# KiCad board AMC_FMC_Carrier-PcbDoc.kicad_pcb (continued)
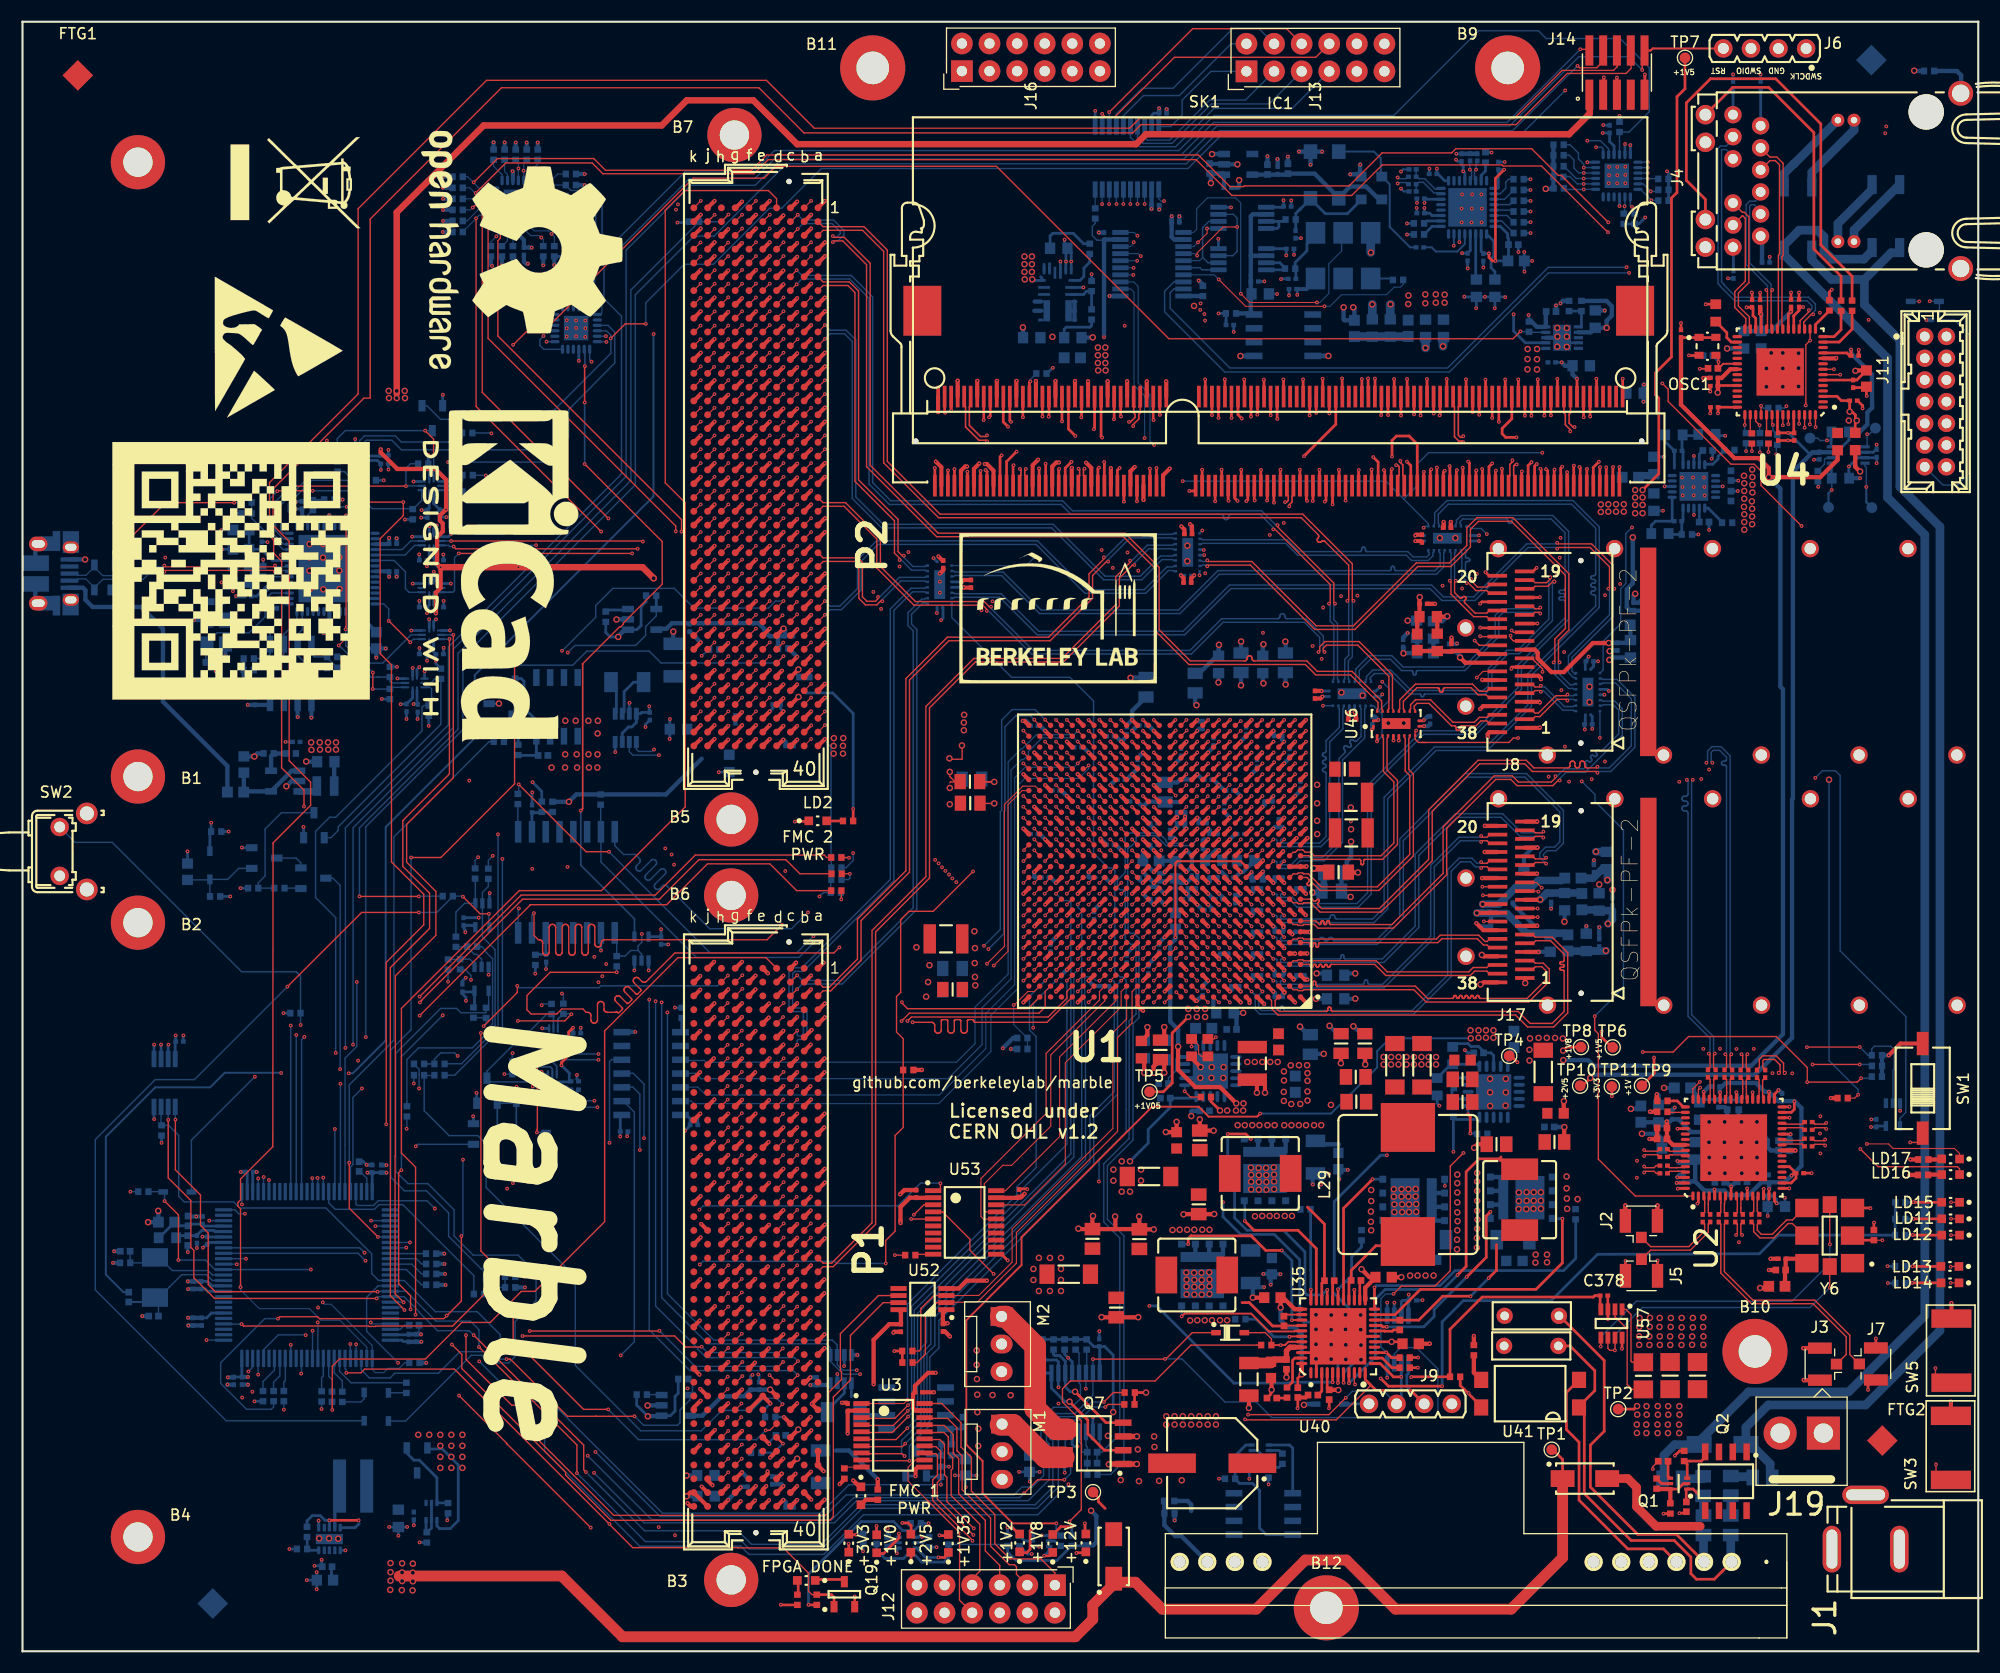
[diagram p0: board, top side]
## Routing (per net, layer and track width the routed paths; a pad name or vN(x,y) marks a point on that pad's centre or on a via; arc(x,y) is an arc through that point) (continued)
/SDRAM/DDR3_DQ2: length 47.7
  Top w0.254: SK1.15 88.17,108.65 v1(88.17,108.65) ; U1.AE17 v1(101.12,84.73)
  In7.Cu w0.135: v1(101.12,84.73) 101.51,85.12 101.51,89.83 101.65,89.97 101.65,96.08 96.15,101.58 96.11,101.63 96.07,101.7 96.06,101.77 96.06,101.84 96.07,101.91 96.11,101.98 96.15,102.03 96.43,102.32 96.48,102.37 96.51,102.44 96.53,102.51 96.53,102.58 96.51,102.65 96.48,102.72 96.43,102.78 96.38,102.82 96.31,102.85 96.24,102.87 96.17,102.87 96.1,102.85 96.03,102.82 95.97,102.78 95.29,102.09 95.24,102.05 95.19,102.03 95.14,102.02 95.08,102.02 95.03,102.03 94.98,102.05 94.93,102.09 94.83,102.19 94.79,102.24 94.77,102.29 94.75,102.34 94.75,102.4 94.77,102.45 94.79,102.5 94.83,102.55 95.51,103.24 95.56,103.29 95.59,103.36 95.61,103.43 95.61,103.5 95.59,103.57 95.56,103.64 95.51,103.7 95.46,103.74 95.39,103.77 95.32,103.79 95.25,103.79 95.18,103.77 95.11,103.74 95.05,103.7 94.37,103.01 94.32,102.97 94.27,102.95 94.22,102.94 94.16,102.94 94.11,102.95 94.06,102.97 94.01,103.01 93.91,103.11 93.87,103.16 93.85,103.21 93.83,103.26 93.83,103.32 93.85,103.37 93.87,103.42 93.91,103.47 94.6,104.16 94.64,104.21 94.67,104.28 94.69,104.35 94.69,104.42 94.67,104.49 94.64,104.56 94.6,104.62 94.54,104.66 94.47,104.69 94.4,104.71 94.33,104.71 94.26,104.69 94.19,104.66 94.14,104.62 93.45,103.93 93.4,103.89 93.35,103.87 93.3,103.86 93.24,103.86 93.19,103.87 93.14,103.89 93.09,103.93 92.99,104.03 92.95,104.08 92.93,104.13 92.92,104.18 92.92,104.24 92.93,104.29 92.95,104.34 92.99,104.39 93.68,105.08 93.72,105.13 93.75,105.2 93.77,105.27 93.77,105.34 93.75,105.41 93.72,105.48 93.68,105.53 93.62,105.58 93.55,105.61 93.48,105.63 93.41,105.63 93.34,105.61 93.27,105.58 93.22,105.53 92.53,104.85 92.48,104.81 92.43,104.79 92.38,104.77 92.32,104.77 92.27,104.79 92.22,104.81 92.17,104.85 92.07,104.95 92.03,105 92.01,105.05 92,105.1 92,105.16 92.01,105.21 92.03,105.26 92.07,105.31 92.76,105.99 92.8,106.05 92.83,106.12 92.85,106.19 92.85,106.26 92.83,106.33 92.8,106.4 92.76,106.45 92.7,106.5 92.63,106.53 92.56,106.55 92.49,106.55 92.42,106.53 92.35,106.5 92.3,106.45 91.61,105.77 91.56,105.73 91.51,105.71 91.46,105.69 91.4,105.69 91.35,105.71 91.3,105.73 91.26,105.77 91.15,105.87 91.11,105.92 91.09,105.97 91.08,106.02 91.08,106.08 91.09,106.13 91.11,106.18 91.15,106.22 91.84,106.91 91.88,106.97 91.91,107.04 91.93,107.11 91.93,107.18 91.91,107.25 91.88,107.32 91.84,107.37 91.78,107.42 91.72,107.45 91.64,107.47 91.57,107.47 91.5,107.45 91.43,107.42 91.38,107.37 90.87,106.86 90.87,106.86 90.67,106.67 90.62,106.63 90.57,106.6 90.51,106.59 90.45,106.59 90.39,106.6 90.33,106.63 90.28,106.67 90.21,106.74 90.17,106.79 90.15,106.84 90.13,106.9 90.13,106.96 90.15,107.02 90.17,107.08 90.25,107.17 90.28,107.23 90.29,107.29 90.29,107.35 90.28,107.41 90.25,107.47 90.21,107.52 89.96,107.76 89.09,107.76 88.35,108.48 v1(88.17,108.65)
/SDRAM/DDR3_DQ3: length 47.8
  Top w0.254: v1(88.64,108.73) 88.77,108.6 SK1.17 ; U1.AE15 v1(103.12,84.73)
  In7.Cu w0.135: v1(88.64,108.73) 88.81,108.56 91.49,108.56 91.65,108.4 91.68,108.36 91.7,108.32 91.71,108.28 91.71,108.24 91.7,108.2 91.68,108.16 91.63,108.09 91.61,108.05 91.6,108.01 91.6,107.97 91.61,107.92 91.63,107.88 91.65,107.85 91.8,107.7 91.84,107.67 91.88,107.65 91.92,107.64 91.96,107.64 92,107.65 92.04,107.67 92.08,107.7 92.21,107.84 92.22,107.83 92.67,108.28 92.72,108.32 92.78,108.35 92.85,108.37 92.91,108.37 92.98,108.35 93.04,108.32 93.09,108.28 93.14,108.23 93.16,108.17 93.18,108.1 93.18,108.04 93.16,107.97 93.14,107.91 93.09,107.86 92.49,107.25 92.46,107.21 92.44,107.17 92.43,107.12 92.43,107.07 92.44,107.03 92.46,106.98 92.49,106.94 92.6,106.83 92.64,106.8 92.69,106.78 92.73,106.77 92.78,106.77 92.83,106.78 92.87,106.8 92.91,106.83 93.52,107.43 93.57,107.48 93.63,107.5 93.7,107.52 93.76,107.52 93.83,107.5 93.89,107.48 93.94,107.43 93.98,107.38 94.01,107.32 94.03,107.26 94.03,107.19 94.01,107.12 93.98,107.06 93.94,107.01 93.32,106.39 93.29,106.34 93.26,106.3 93.25,106.24 93.25,106.19 93.26,106.13 93.29,106.09 93.32,106.04 93.4,105.96 93.44,105.93 93.49,105.91 93.54,105.89 93.6,105.89 93.65,105.91 93.7,105.93 93.74,105.96 94.37,106.59 94.42,106.63 94.48,106.66 94.54,106.67 94.61,106.67 94.68,106.66 94.74,106.63 94.79,106.59 94.83,106.53 94.86,106.47 94.88,106.41 94.88,106.34 94.86,106.27 94.83,106.21 94.79,106.16 94.1,105.47 94.06,105.42 94.03,105.36 94.02,105.29 94.02,105.23 94.03,105.16 94.06,105.1 94.1,105.05 94.15,105.01 94.21,104.98 94.28,104.96 94.35,104.96 94.41,104.98 94.47,105.01 94.53,105.05 95.21,105.74 95.27,105.78 95.33,105.81 95.39,105.82 95.46,105.82 95.53,105.81 95.59,105.78 95.64,105.74 95.68,105.68 95.71,105.62 95.73,105.56 95.73,105.49 95.71,105.43 95.68,105.37 95.64,105.31 95.02,104.69 94.98,104.65 94.96,104.6 94.95,104.54 94.95,104.49 94.96,104.44 94.98,104.39 95.02,104.35 95.1,104.27 95.14,104.23 95.19,104.21 95.24,104.2 95.3,104.2 95.35,104.21 95.4,104.23 95.44,104.27 96.06,104.89 96.12,104.93 96.18,104.96 96.24,104.97 96.31,104.97 96.37,104.96 96.44,104.93 96.49,104.89 96.53,104.84 96.56,104.78 96.57,104.71 96.57,104.64 96.56,104.58 96.53,104.52 96.49,104.46 95.88,103.86 95.85,103.82 95.83,103.78 95.82,103.73 95.82,103.68 95.83,103.63 95.85,103.59 95.88,103.55 96,103.43 96.04,103.4 96.08,103.38 96.13,103.37 96.18,103.37 96.22,103.38 96.27,103.4 96.31,103.43 96.91,104.04 96.96,104.08 97.02,104.11 97.09,104.13 97.16,104.13 97.22,104.11 97.28,104.08 97.34,104.04 97.38,103.99 97.41,103.93 97.42,103.86 97.42,103.79 97.41,103.73 97.38,103.67 97.34,103.62 97.1,103.38 97.06,103.32 97.03,103.26 97.01,103.2 97.01,103.13 97.03,103.07 97.06,103.01 97.1,102.95 98.31,101.74 98.31,100.55 102.61,96.23 102.61,89.94 102.68,89.88 102.68,85.17 v1(103.12,84.73)
/SDRAM/DDR3_DQ4: length 47.7
  Top w0.254: U1.AD16 v1(102.12,83.73) ; v1(84.91,114.01) 84.87,114.05 SK1.4
  In4.Cu w0.135: v1(102.12,83.73) 102.46,84.07 102.46,89.22 102.68,89.43 102.68,89.88 102.46,90.09 102.46,97.23 100.78,98.91 100.78,103.42 99.82,104.38 99.82,105.57 99.82,105.57 99.82,109.25 99.92,109.35 99.92,111.66 97.57,114.01 85.77,114.01 85.6,113.84 85.08,113.84 v1(84.91,114.01)
/SDRAM/DDR3_DQ5: length 47.8
  Top w0.135: 85.47,114.24 v1(85.48,114.23)
  Top w0.254: U1.AD15 v1(103.12,83.73) ; SK1.6 85.47,114.24
  In4.Cu w0.135: v1(103.12,83.73) 102.78,84.07 102.78,89.19 102.91,89.33 102.91,89.98 102.78,90.11 102.78,97.62 101.1,99.29 101.1,103.77 100.49,104.38 100.49,108.69 100.58,108.78 100.58,111.94 98.12,114.4 88.91,114.4 88.89,114.4 88.88,114.4 88.87,114.39 88.86,114.38 88.85,114.37 88.85,114.36 88.85,114.33 88.84,114.32 88.84,114.31 88.83,114.3 88.81,114.29 88.8,114.28 88.79,114.28 88.31,114.28 88.29,114.28 88.28,114.29 88.27,114.3 88.26,114.31 88.25,114.32 88.25,114.33 88.25,114.36 88.24,114.37 88.24,114.38 88.23,114.39 88.21,114.4 88.2,114.4 88.19,114.4 85.66,114.4 v1(85.48,114.23)
/SDRAM/DDR3_DQ6: length 47.7
  Top w0.254: SK1.16 88.47,113.34 v1(88.47,113.34) ; U1.AF15 v1(103.12,85.73)
  In7.Cu w0.135: v1(103.12,85.73) 103.12,100.97 101.22,102.87 99.81,102.87 98.16,104.52 98.11,104.56 98.05,104.59 97.98,104.61 97.91,104.61 97.85,104.59 97.79,104.56 97.73,104.52 97.68,104.47 97.63,104.43 97.57,104.4 97.5,104.38 97.44,104.38 97.37,104.4 97.31,104.43 97.26,104.47 97.22,104.52 97.19,104.58 97.17,104.65 97.17,104.71 97.19,104.78 97.22,104.84 97.26,104.89 97.93,105.56 97.97,105.62 98,105.68 98.02,105.74 98.02,105.81 98,105.88 97.97,105.94 97.93,105.99 97.88,106.03 97.82,106.06 97.75,106.07 97.68,106.07 97.62,106.06 97.56,106.03 97.5,105.99 96.83,105.32 96.78,105.27 96.72,105.25 96.65,105.23 96.59,105.23 96.52,105.25 96.46,105.27 96.41,105.32 96.37,105.37 96.34,105.43 96.32,105.49 96.32,105.56 96.34,105.63 96.37,105.69 96.41,105.74 97.08,106.41 97.12,106.47 97.15,106.53 97.17,106.59 97.17,106.66 97.15,106.72 97.12,106.78 97.08,106.84 97.03,106.88 96.97,106.91 96.9,106.92 96.83,106.92 96.77,106.91 96.71,106.88 96.66,106.84 95.98,106.16 95.93,106.12 95.87,106.09 95.81,106.08 95.74,106.08 95.67,106.09 95.61,106.12 95.56,106.16 95.52,106.22 95.49,106.28 95.47,106.34 95.47,106.41 95.49,106.48 95.52,106.54 95.56,106.59 96.23,107.26 96.27,107.31 96.3,107.37 96.32,107.44 96.32,107.51 96.3,107.57 96.27,107.63 96.23,107.69 96.18,107.73 96.12,107.76 96.05,107.77 95.99,107.77 95.92,107.76 95.86,107.73 95.81,107.69 95.14,107.01 95.08,106.97 95.02,106.94 94.96,106.93 94.89,106.93 94.82,106.94 94.76,106.97 94.71,107.01 94.67,107.07 94.64,107.13 94.63,107.19 94.63,107.26 94.64,107.32 94.67,107.39 94.71,107.44 94.76,107.49 94.81,107.54 94.84,107.6 94.85,107.67 94.85,107.74 94.84,107.8 94.81,107.86 94.76,107.92 94.66,108.02 94.66,109.93 93.25,111.34 90.21,111.34 89.77,111.78 89.77,112.03 v1(88.47,113.34)
/SDRAM/DDR3_DQ7: length 47.8
  Top w0.254: v1(88.96,113.6) 89.07,113.7 SK1.18 ; U1.AF14 v1(104.12,85.73)
  In7.Cu w0.135: v1(104.12,85.73) 104.12,100.78 101.5,103.4 101.43,103.46 101.34,103.5 101.25,103.52 101.15,103.52 101.06,103.5 100.97,103.46 100.9,103.4 100.84,103.34 100.77,103.29 100.68,103.24 100.59,103.22 100.5,103.22 100.4,103.24 100.32,103.29 100.24,103.34 100.18,103.42 100.14,103.5 100.12,103.6 100.12,103.69 100.14,103.79 100.18,103.87 100.24,103.95 100.96,104.66 101.02,104.73 101.06,104.82 101.08,104.91 101.08,105.01 101.06,105.1 101.02,105.19 100.96,105.26 100.88,105.32 100.8,105.36 100.7,105.38 100.61,105.38 100.52,105.36 100.43,105.32 100.36,105.26 99.64,104.55 99.57,104.49 99.48,104.45 99.39,104.42 99.29,104.42 99.2,104.45 99.12,104.49 99.04,104.55 98.98,104.62 98.94,104.71 98.92,104.8 98.92,104.89 98.94,104.99 98.98,105.07 99.04,105.15 99.75,105.86 99.81,105.94 99.86,106.02 99.88,106.11 99.88,106.21 99.86,106.3 99.81,106.39 99.75,106.46 99.68,106.52 99.59,106.56 99.5,106.58 99.41,106.58 99.31,106.56 99.23,106.52 99.15,106.46 98.65,105.95 98.61,105.92 98.56,105.9 98.52,105.89 98.47,105.89 98.42,105.9 98.38,105.92 98.34,105.95 98.04,106.25 98.01,106.29 97.99,106.33 97.98,106.38 97.98,106.43 97.99,106.47 98.01,106.52 98.04,106.55 98.55,107.06 98.61,107.14 98.65,107.22 98.67,107.32 98.67,107.41 98.65,107.5 98.61,107.59 98.55,107.66 98.48,107.72 98.39,107.76 98.3,107.79 98.2,107.79 98.11,107.76 98.03,107.72 97.95,107.66 97.59,107.31 97.59,107.31 97.44,107.16 97.4,107.13 97.35,107.11 97.31,107.1 97.26,107.1 97.21,107.11 97.17,107.13 97.13,107.16 96.83,107.46 96.8,107.5 96.78,107.54 96.77,107.59 96.77,107.64 96.78,107.68 96.8,107.73 96.86,107.8 96.89,107.84 96.9,107.89 96.9,107.94 96.89,107.99 96.86,108.03 96.83,108.07 95.97,108.93 95.97,110.73 94.54,112.17 90.39,112.17 v1(88.96,113.6)
/SDRAM/DDR3_DQ8: length 44.3
  Top w0.254: v1(90.11,110.09) 89.97,109.94 SK1.21 ; U1.V17 v1(101.12,77.73)
  In9.Cu w0.135: v1(90.11,110.09) 90.36,110.09 90.37,110.08 93.58,110.08 93.81,109.85 93.81,109.17 93.94,109.05 93.94,98.41 94.1,98.25 94.13,98.21 94.16,98.17 94.17,98.12 94.17,98.07 94.16,98.02 94.13,97.98 94.07,97.9 94.05,97.86 94.04,97.81 94.04,97.76 94.05,97.71 94.07,97.67 94.1,97.63 94.22,97.52 94.26,97.49 94.3,97.46 94.35,97.45 94.4,97.45 94.45,97.46 94.49,97.49 94.53,97.52 94.68,97.67 94.69,97.67 94.82,97.8 94.86,97.83 94.9,97.85 94.94,97.86 94.98,97.86 95.03,97.85 95.07,97.83 95.1,97.8 95.25,97.65 95.28,97.62 95.29,97.58 95.3,97.54 95.3,97.5 95.29,97.45 95.28,97.41 95.25,97.38 94.96,97.09 94.93,97.05 94.91,97.01 94.89,96.96 94.89,96.91 94.91,96.86 94.93,96.82 94.96,96.78 95.07,96.66 95.11,96.63 95.15,96.61 95.2,96.6 95.25,96.6 95.3,96.61 95.34,96.63 95.42,96.69 95.46,96.72 95.51,96.73 95.56,96.73 95.61,96.72 95.65,96.69 95.69,96.66 100.78,91.58 100.78,78.07 v1(101.12,77.73)
/SDRAM/DDR3_DQ9: length 52.8
  Top w0.254: U1.Y17 v1(101.12,79.73) ; SK1.23 90.57,109.51 v1(91.49,110.43)
  In9.Cu w0.135: 101.48,87.44 101.48,87.65 101.15,87.98 101.15,92.13 101.08,92.21 101.05,92.24 101.02,92.29 101.01,92.34 101.01,92.39 101.02,92.44 101.05,92.48 101.11,92.56 101.13,92.61 101.14,92.66 101.14,92.71 101.13,92.76 101.11,92.8 101.08,92.84 100.97,92.95 100.93,92.98 100.89,93 100.84,93.01 100.79,93.01 100.74,93 100.69,92.98 100.65,92.95 100.35,92.65 100.32,92.62 100.28,92.6 100.23,92.59 100.19,92.59 100.14,92.6 100.1,92.62 100.07,92.65 99.93,92.79 99.9,92.82 99.88,92.86 99.87,92.91 99.87,92.95 99.88,93 99.9,93.04 99.93,93.07 100.23,93.37 100.26,93.41 100.28,93.46 100.29,93.51 100.29,93.56 100.28,93.61 100.26,93.65 100.23,93.69 100.12,93.8 100.08,93.83 100.04,93.85 99.99,93.86 99.94,93.86 99.89,93.85 99.84,93.83 99.8,93.8 99.5,93.5 99.47,93.47 99.43,93.45 99.38,93.44 99.34,93.44 99.3,93.45 99.26,93.47 99.22,93.5 99.08,93.64 99.05,93.67 99.03,93.71 99.02,93.76 99.02,93.8 99.03,93.84 99.05,93.88 99.08,93.92 99.38,94.22 99.41,94.26 99.43,94.31 99.44,94.35 99.44,94.4 99.43,94.45 99.41,94.5 99.38,94.54 99.27,94.64 99.23,94.68 99.19,94.7 99.14,94.71 99.09,94.71 99.04,94.7 98.99,94.68 98.96,94.64 98.65,94.34 98.62,94.32 98.58,94.3 98.54,94.29 98.49,94.29 98.45,94.3 98.41,94.32 98.37,94.34 98.23,94.49 98.2,94.52 98.18,94.56 98.17,94.6 98.17,94.65 98.18,94.69 98.2,94.73 98.23,94.77 98.53,95.07 98.56,95.11 98.58,95.15 98.6,95.2 98.6,95.25 98.58,95.3 98.56,95.35 98.53,95.39 98.42,95.49 98.39,95.52 98.34,95.55 98.29,95.56 98.24,95.56 98.19,95.55 98.15,95.52 98.11,95.49 97.81,95.19 97.77,95.16 97.73,95.15 97.69,95.14 97.64,95.14 97.6,95.15 97.56,95.16 97.52,95.19 97.38,95.33 97.35,95.37 97.33,95.41 97.32,95.45 97.32,95.5 97.33,95.54 97.35,95.58 97.38,95.62 97.68,95.92 97.71,95.96 97.74,96 97.75,96.05 97.75,96.1 97.74,96.15 97.71,96.2 97.68,96.24 97.58,96.34 97.54,96.37 97.49,96.4 97.44,96.41 97.39,96.41 97.34,96.4 97.3,96.37 97.26,96.34 96.96,96.04 96.92,96.01 96.88,95.99 96.84,95.98 96.79,95.98 96.75,95.99 96.71,96.01 96.67,96.04 96.53,96.18 96.51,96.22 96.49,96.26 96.48,96.3 96.48,96.35 96.49,96.39 96.51,96.43 96.53,96.47 96.83,96.77 96.87,96.81 96.89,96.85 96.9,96.9 96.9,96.95 96.89,97 96.87,97.04 96.83,97.08 96.73,97.19 96.69,97.22 96.64,97.24 96.59,97.25 96.54,97.25 96.49,97.24 96.45,97.22 96.41,97.19 96.11,96.89 96.07,96.86 96.03,96.84 95.99,96.83 95.95,96.83 95.9,96.84 95.86,96.86 95.83,96.89 95.68,97.03 95.66,97.07 95.64,97.11 95.63,97.15 95.63,97.2 95.64,97.24 95.66,97.28 95.68,97.31 95.99,97.61 96.02,97.65 96.04,97.7 96.05,97.75 96.05,97.8 96.04,97.85 96.02,97.89 95.99,97.93 95.88,98.04 95.84,98.07 95.79,98.09 95.75,98.1 95.69,98.1 95.65,98.09 95.6,98.07 95.52,98.01 95.48,97.99 95.43,97.97 95.38,97.97 95.33,97.99 95.28,98.01 95.24,98.04 94.52,98.76 94.53,98.77 94.53,98.79 94.54,98.8 94.55,98.82 94.57,98.82 94.58,98.83 94.62,98.83 94.63,98.84 94.65,98.85 94.66,98.86 94.67,98.87 94.67,98.89 94.67,98.91 94.67,99.36 94.67,99.37 94.67,99.39 94.66,99.4 94.65,99.42 94.63,99.42 94.62,99.43 94.6,99.43 94.37,99.43 94.34,99.44 94.31,99.45 94.28,99.46 94.26,99.49 94.24,99.52 94.23,99.55 94.22,99.58 94.22,99.88 94.23,99.92 94.24,99.95 94.26,99.98 94.28,100 94.31,100.02 94.34,100.03 94.37,100.03 94.6,100.03 94.62,100.03 94.63,100.04 94.65,100.05 94.66,100.06 94.67,100.07 94.67,100.09 94.67,100.11 94.67,100.56 94.67,100.57 94.67,100.59 94.66,100.6 94.65,100.62 94.63,100.62 94.62,100.63 94.6,100.63 94.37,100.63 94.34,100.64 94.31,100.65 94.28,100.66 94.26,100.69 94.24,100.72 94.23,100.75 94.22,100.78 94.22,101.08 94.23,101.12 94.24,101.15 94.26,101.18 94.28,101.2 94.31,101.22 94.34,101.23 94.37,101.23 94.6,101.23 94.62,101.23 94.63,101.24 94.65,101.25 94.66,101.26 94.67,101.27 94.67,101.29 94.67,101.31 94.67,101.76 94.67,101.77 94.67,101.79 94.66,101.8 94.65,101.82 94.63,101.82 94.62,101.83 94.6,101.83 94.37,101.83 94.34,101.84 94.31,101.85 94.28,101.86 94.26,101.89 94.24,101.92 94.23,101.95 94.22,101.98 94.22,102.28 94.23,102.32 94.24,102.35 94.26,102.38 94.28,102.4 94.31,102.42 94.34,102.43 94.37,102.43 94.6,102.43 94.62,102.43 94.63,102.44 94.65,102.45 94.66,102.46 94.67,102.47 94.67,102.49 94.67,102.51 94.67,102.96 94.67,102.97 94.67,102.99 94.66,103 94.65,103.02 94.63,103.02 94.62,103.03 94.6,103.03 94.37,103.03 94.34,103.04 94.31,103.05 94.28,103.06 94.26,103.09 94.24,103.12 94.23,103.15 94.22,103.18 94.22,103.48 94.23,103.52 94.24,103.55 94.26,103.58 94.28,103.6 94.31,103.62 94.34,103.63 94.37,103.63 94.6,103.63 94.62,103.63 94.63,103.64 94.65,103.65 94.66,103.66 94.67,103.67 94.67,103.69 94.67,103.71 94.67,104.16 94.67,104.17 94.67,104.19 94.66,104.2 94.65,104.22 94.63,104.22 94.62,104.23 94.6,104.23 94.37,104.23 94.34,104.24 94.31,104.25 94.28,104.26 94.26,104.29 94.24,104.32 94.23,104.35 94.22,104.38 94.22,104.68 94.23,104.72 94.24,104.75 94.26,104.78 94.28,104.8 94.31,104.82 94.34,104.83 94.37,104.83 94.6,104.83 94.62,104.83 94.63,104.84 94.65,104.85 94.66,104.86 94.67,104.87 94.67,104.89 94.67,104.91 94.67,105.36 94.67,105.37 94.67,105.39 94.66,105.4 94.65,105.42 94.63,105.42 94.62,105.43 94.58,105.43 94.57,105.44 94.55,105.45 94.54,105.46 94.53,105.47 94.53,105.49 94.52,105.51 94.52,109.74 93.84,110.43 v1(91.49,110.43) ; 101.48,87.44 101.48,80.58 101.12,80.22 v1(101.12,79.73) ; 101.48,87.44 101.48,87.48
/SDRAM/DDR3_DQ10: length 44.3
  Top w0.254: SK1.33 93.57,108.87 v1(93.56,108.88) ; U1.V18 v1(100.12,77.73)
  In9.Cu w0.135: v1(100.12,77.73) 100.46,78.07 100.46,90.91 93.56,97.82 93.56,100.18 93.56,100.19 93.55,100.2 93.55,100.21 93.54,100.22 93.53,100.23 93.52,100.23 93.5,100.23 93.49,100.24 93.48,100.24 93.47,100.25 93.46,100.26 93.46,100.27 93.46,100.28 93.46,100.48 93.46,100.49 93.46,100.5 93.47,100.51 93.48,100.52 93.49,100.53 93.5,100.53 93.51,100.53 93.61,100.53 93.62,100.53 93.63,100.54 93.64,100.54 93.65,100.55 93.65,100.56 93.66,100.57 93.66,100.58 93.66,100.78 93.66,100.79 93.65,100.8 93.65,100.81 93.64,100.82 93.63,100.83 93.62,100.83 93.6,100.83 93.59,100.84 93.58,100.84 93.57,100.85 93.56,100.86 93.56,100.87 93.56,100.88 93.56,100.89 93.56,100.9 93.57,100.91 93.58,100.92 93.59,100.93 93.6,100.93 93.62,100.93 93.63,100.94 93.64,100.94 93.65,100.95 93.65,100.96 93.66,100.97 93.66,100.98 93.66,101.18 93.66,101.19 93.65,101.2 93.65,101.21 93.64,101.22 93.63,101.23 93.62,101.23 93.61,101.23 92.76,101.23 92.73,101.24 92.7,101.25 92.67,101.27 92.64,101.29 92.63,101.32 92.62,101.35 92.61,101.38 92.62,101.42 92.63,101.45 92.64,101.48 92.67,101.5 92.7,101.52 92.73,101.53 92.76,101.53 93.61,101.53 93.62,101.53 93.63,101.54 93.64,101.54 93.65,101.55 93.65,101.56 93.66,101.57 93.66,101.58 93.66,101.78 93.66,101.79 93.65,101.8 93.65,101.81 93.64,101.82 93.63,101.83 93.62,101.83 93.61,101.83 92.76,101.83 92.73,101.84 92.7,101.85 92.67,101.87 92.64,101.89 92.63,101.92 92.62,101.95 92.61,101.98 92.62,102.02 92.63,102.05 92.64,102.08 92.67,102.1 92.7,102.12 92.73,102.13 92.76,102.13 93.61,102.13 93.62,102.13 93.63,102.14 93.64,102.14 93.65,102.15 93.65,102.16 93.66,102.17 93.66,102.18 93.66,102.38 93.66,102.39 93.65,102.4 93.65,102.41 93.64,102.42 93.63,102.43 93.62,102.43 93.61,102.43 92.76,102.43 92.73,102.44 92.7,102.45 92.67,102.47 92.64,102.49 92.63,102.52 92.62,102.55 92.61,102.58 92.62,102.62 92.63,102.65 92.64,102.68 92.67,102.7 92.7,102.72 92.73,102.73 92.76,102.73 93.61,102.73 93.62,102.73 93.63,102.74 93.64,102.74 93.65,102.75 93.65,102.76 93.66,102.77 93.66,102.78 93.66,102.98 93.66,102.99 93.65,103 93.65,103.01 93.64,103.02 93.63,103.03 93.62,103.03 93.61,103.03 92.76,103.03 92.73,103.04 92.7,103.05 92.67,103.07 92.64,103.09 92.63,103.12 92.62,103.15 92.61,103.18 92.62,103.22 92.63,103.25 92.64,103.28 92.67,103.3 92.7,103.32 92.73,103.33 92.76,103.33 93.41,103.33 93.44,103.34 93.47,103.35 93.5,103.37 93.53,103.39 93.54,103.42 93.55,103.45 93.56,103.48 v1(93.56,108.88)
/SDRAM/DDR3_DQ11: length 44.3
  Top w0.254: SK1.35 94.17,109.31 v1(94.16,109.32) ; U1.V19 v1(99.12,77.73)
  In4.Cu w0.135: v1(94.16,109.32) 94.16,108.62 94.22,108.56 94.22,108.27 94.21,108.2 94.19,108.14 94.15,108.08 94.11,108.04 94.05,108 93.99,107.98 93.92,107.97 93.59,107.97 93.52,107.96 93.46,107.94 93.4,107.91 93.36,107.86 93.32,107.8 93.3,107.74 93.29,107.67 93.3,107.6 93.32,107.54 93.36,107.48 93.4,107.44 93.46,107.4 93.52,107.38 93.59,107.37 94.85,107.37 94.91,107.36 94.98,107.34 95.03,107.31 95.08,107.26 95.12,107.2 95.14,107.14 95.15,107.07 95.14,107 95.12,106.94 95.08,106.88 95.03,106.84 94.98,106.8 94.91,106.78 94.85,106.77 93.59,106.77 93.52,106.76 93.46,106.74 93.4,106.71 93.36,106.66 93.32,106.6 93.3,106.54 93.29,106.47 93.3,106.4 93.32,106.34 93.36,106.28 93.4,106.24 93.46,106.2 93.52,106.18 93.59,106.17 94.85,106.17 94.91,106.16 94.98,106.14 95.03,106.11 95.08,106.06 95.12,106 95.14,105.94 95.15,105.87 95.14,105.8 95.12,105.74 95.08,105.68 95.03,105.64 94.98,105.6 94.91,105.58 94.85,105.57 93.64,105.57 93.57,105.56 93.51,105.54 93.45,105.51 93.41,105.46 93.37,105.4 93.35,105.34 93.34,105.27 93.35,105.2 93.37,105.14 93.41,105.08 93.45,105.04 93.51,105 93.57,104.98 93.64,104.97 93.92,104.97 93.99,104.96 94.05,104.94 94.11,104.91 94.15,104.86 94.19,104.8 94.21,104.74 94.22,104.67 94.22,96.33 97.47,93.08 97.47,83.87 99.46,81.88 99.46,78.07 v1(99.12,77.73)
/SDRAM/DDR3_DQ12: length 44.3
  Top w0.11: 102.12,77.73 v1(102.12,77.73)
  Top w0.254: v1(90.7,112.73) 90.27,113.16 SK1.22 ; U1.V16 102.12,77.73
  In9.Cu w0.135: v1(90.7,112.73) 92.21,112.73 94.95,109.99 94.95,99.36 101.51,92.8 101.51,89.38 101.74,89.15 101.74,78.11 v1(102.12,77.73)
/SDRAM/DDR3_DQ13: length 44.4
  Top w0.11: 102.12,78.73 v1(102.12,78.73)
  Top w0.254: U1.W16 102.12,78.73 ; SK1.24 90.87,113.28 v1(90.98,113.17)
  In9.Cu w0.135: v1(102.12,78.73) 102.47,79.09 102.47,86.49 102.68,86.69 102.68,92.52 95.65,99.55 95.65,106.52 95.66,106.54 95.66,106.56 95.67,106.58 95.69,106.6 95.71,106.61 95.73,106.61 95.77,106.62 95.79,106.63 95.81,106.64 95.82,106.65 95.83,106.67 95.84,106.69 95.84,106.71 95.84,107.12 95.84,107.14 95.83,107.16 95.82,107.18 95.81,107.2 95.79,107.21 95.77,107.21 95.75,107.22 95.65,107.22 95.65,107.25 95.46,107.25 95.42,107.25 95.38,107.27 95.34,107.29 95.31,107.32 95.29,107.36 95.27,107.4 95.27,107.44 95.27,107.65 95.27,107.7 95.29,107.74 95.31,107.78 95.34,107.81 95.38,107.83 95.42,107.84 95.5,107.85 95.54,107.87 95.58,107.89 95.61,107.92 95.63,107.96 95.65,108 95.65,108.04 95.65,108.59 95.77,108.7 95.77,109.89 92.49,113.17 v1(90.98,113.17)
